# Altium PCB EEGV4.0.PcbDoc (part 2 of 2)
Units mm, origin at the board's own origin, x right, y up, seen from the top; angles counter-clockwise.
Board outline 93.3 x 85.3 mm, 2 copper layers (Top Layer, Bottom Layer); 194 components, 148 nets, 781 pads, 660 vias.
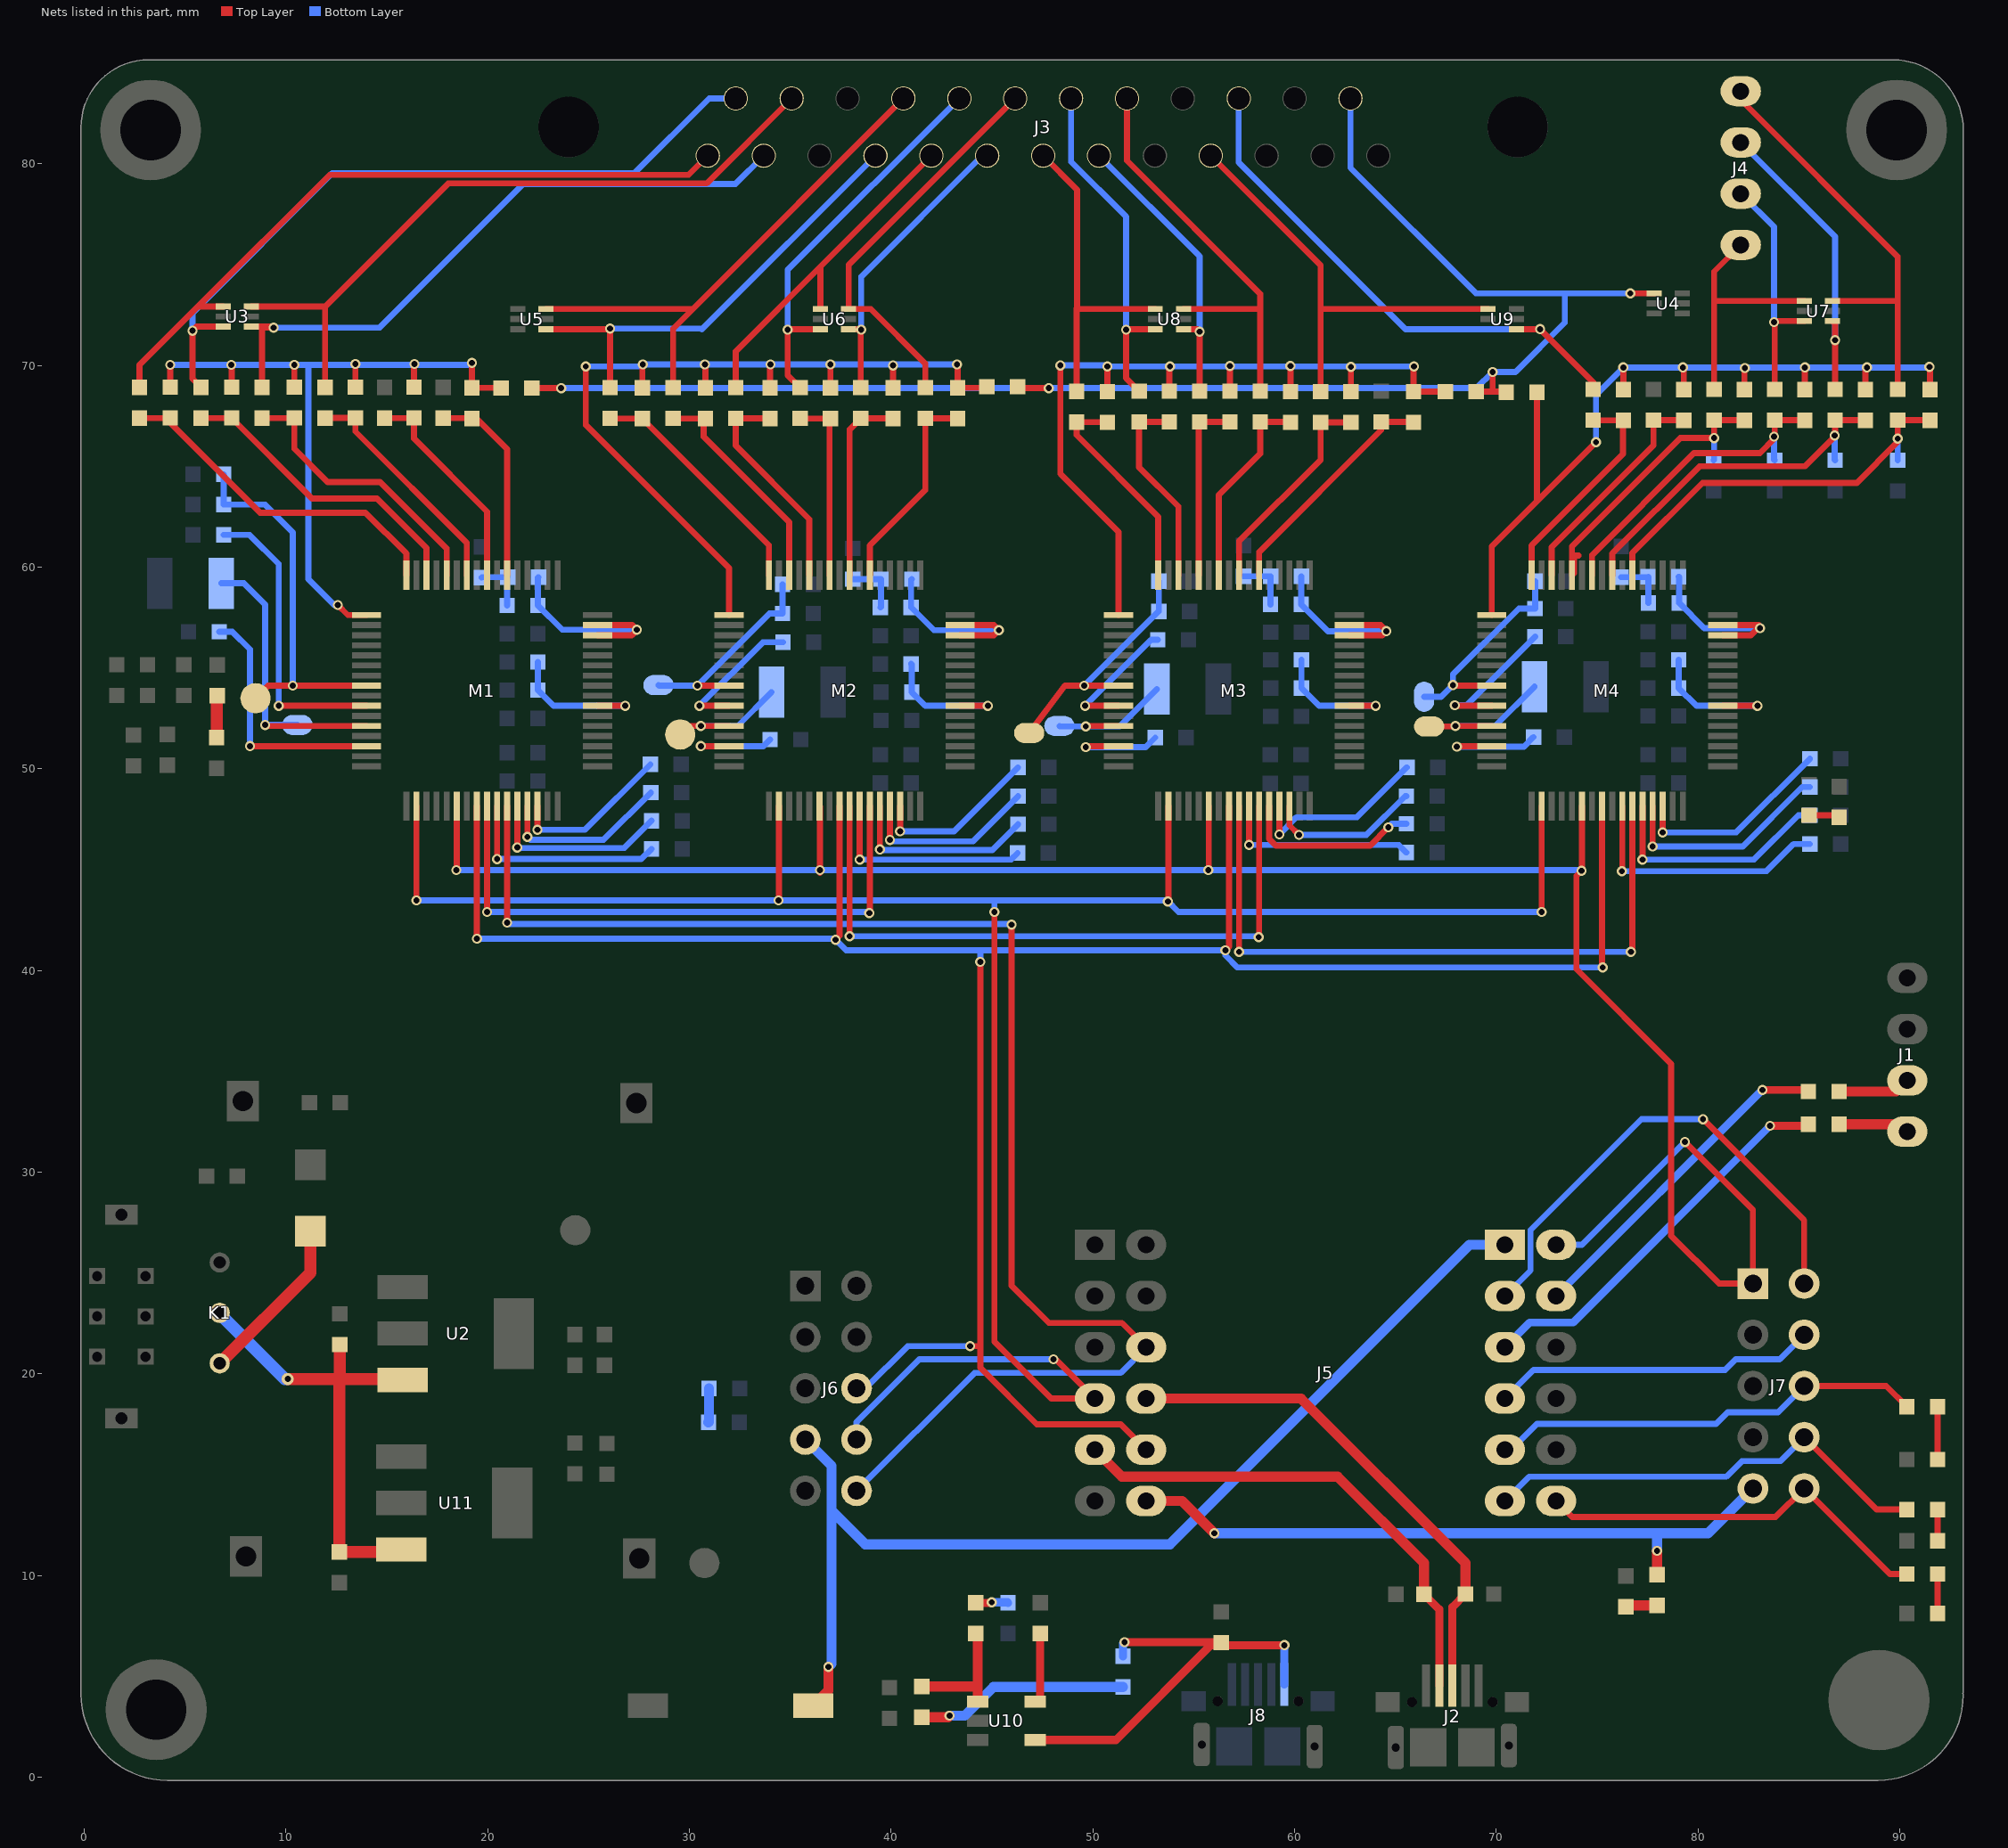
[diagram p2: the nets of this part, all layers, seen from the top]

## Via types
v1: diameter 0.5, hole 0.3, Top Layer to Bottom Layer, tented both sides, 657 vias
v2: diameter 0.6, hole 0.3, Top Layer to Bottom Layer, tented both sides, 1 vias
v3: diameter 0.7, hole 0.3, Top Layer to Bottom Layer, tented both sides, 1 vias
v4: diameter 0.5, hole 0.203, Top Layer to Bottom Layer, tented both sides, 1 vias

## Nets (pads, with @x,y where several pads share a name; then routed paths per layer and width w, separated by ;. In a path a pad name is that pad's centre, name@x,y a point inside that pad or via, vN(x,y) a via of type N, cw(c..) or ccw(c..) an arc to the next point about the centre after c; other vN are vias at no path point) (continued)
DIN: J5.7 J6.8 M1.34 M2.34 M3.34 M4.34 | length 118.2
  Top Layer w0.3: v1(16.475,43.475) M1.34@16.475,48.15 ; v1(34.425,43.475) 34.45,43.5 M2.34@34.45,48.15 ; v1(45.125,42.9) 45.125,21.6 47.945,18.78 J5.7@50.11,18.78 48.165,20.725 v1(48.05,20.725) ; v1(53.725,43.425) 53.75,43.45 M3.34@53.75,48.15 ; v1(72.25,42.9) M4.34@72.25,48.15
  Bottom Layer w0.3: v1(16.475,43.475) v1(34.425,43.475) 45.125,43.475 ; J6.8@38.29,16.745 38.29,17.615 41.4,20.725 v1(48.05,20.725) ; v1(45.125,42.9) 45.125,43.475 ; v1(72.25,42.9) 54.25,42.9 v1(53.725,43.425) 53.675,43.475 45.125,43.475
DM: D2.2 J2.2 J5.9 | length 25
  Top Layer w0.4: D2.2@66.423,9.075 67.175,8.323 J2.2@67.175,4.55
  Top Layer w0.5: J5.9@50.11,16.24 51.45,14.9 62.15,14.9 66.423,10.626 D2.2@66.423,9.075
DOUT_1: J5.6 J6.10 M1.43 | length 74
  Top Layer w0.3: v1(20.975,42.375) M1.43@20.975,48.15 ; v1(45.975,42.275) 45.975,24.375 47.825,22.525 51.445,22.525 J5.6@52.65,21.32
  Bottom Layer w0.3: v1(20.975,42.375) 21.05,42.3 21.075,42.325 21.1,42.3 45.95,42.3 v1(45.975,42.275) ; J6.10@38.29,14.205 44.135,20.05 51.38,20.05 J5.6@52.65,21.32
DOUT_2: M1.41 M2.43 | length 29.5
  Top Layer w0.3: v1(19.975,42.9) M1.41@19.975,48.15 ; v1(38.925,42.85) 38.95,42.875 M2.43@38.95,48.15
  Bottom Layer w0.3: v1(19.975,42.9) 38.875,42.9 v1(38.925,42.85)
DOUT_3: M2.41 M3.43 | length 33.3
  Top Layer w0.3: v1(37.95,41.7) M2.41@37.95,48.15 ; v1(58.225,41.65) 58.25,41.675 M3.43@58.25,48.15
  Bottom Layer w0.3: v1(37.95,41.7) 58.175,41.7 v1(58.225,41.65)
DOUT_4: M3.41 M4.43 | length 33.9
  Top Layer w0.3: v1(57.25,40.925) M3.41@57.25,48.15 ; v1(76.675,40.925) 76.75,41 M4.43@76.75,48.15
  Bottom Layer w0.3: v1(57.25,40.925) v1(76.675,40.925)
DP: D4.2 J2.3 J5.8 | length 25.5
  Top Layer w0.4: J2.3@67.825,4.55 67.825,8.436 D4.2@68.477,9.088
  Top Layer w0.5: J5.8@52.65,18.78 60.32,18.78 68.477,10.623 D4.2@68.477,9.088
ELEC1: J4.1 R39.1 U7.1 | length 12.2
  Top Layer w0.3: R39.1@80.8,68.813 80.8,73.2 ; J4.1@82.125,75.98 80.8,74.655 80.8,73.2 ; U7.1@85.275,73.2 80.8,73.2
ELEC2: J4.2 R37.1 U7.3 | length 11.9
  Top Layer w0.3: R37.1@83.8,68.813 83.8,72.125 v1(83.775,72.15) 83.825,72.2 U7.3@85.275,72.2
  Bottom Layer w0.3: J4.2@82.125,78.52 83.775,76.87 v1(83.775,72.15)
ELEC3: J4.3 R35.1 U7.4 | length 15.2
  Top Layer w0.3: U7.4@86.675,72.2 86.8,72.075 v1(86.8,71.25) R35.1@86.8,68.813
  Bottom Layer w0.3: J4.3@82.125,81.06 86.8,76.385 v1(86.8,71.25)
ELEC4: J4.4 R30.1 U7.6 | length 21.3
  Top Layer w0.3: J4.4@82.125,83.6 82.125,83.175 89.9,75.4 89.9,73.25 ; U7.6@86.675,73.2 89.85,73.2 89.9,73.25 ; R30.1@89.9,68.813 89.9,73.25
F3: J3.2 R8.1 U3.4 | length 32.5
  Top Layer w0.3: U3.4@8.3,71.925 9.35,71.925 v1(9.4,71.875) 8.8,71.875 8.825,71.85 R8.1@8.825,68.912
  Bottom Layer w0.3: v1(9.4,71.875) 14.65,71.875 21.775,79 32.29,79 J3.2@33.69,80.4
F4: J3.15 R6.1 U3.6 | length 35.1
  Top Layer w0.3: U3.6@8.3,72.925 11.95,72.925 ; R6.1@11.95,68.912 11.95,72.925 ; J3.15@35.075,83.24 30.86,79.025 18.05,79.025 11.95,72.925
F7: J3.6 R53.1 U6.4 | length 14.8
  Top Layer w0.3: U6.4@37.9,71.8 38.475,71.8 38.5,71.775 R53.1@38.5,68.9
  Bottom Layer w0.3: v1(38.525,71.775) 38.525,74.4 44.525,80.4 J3.6@44.77,80.4
F8: J3.19 R50.1 U6.6 | length 20
  Top Layer w0.3: R50.1@41.7,68.9 41.7,70.1 39,72.8 U6.6@37.9,72.8 37.9,74.985 J3.19@46.155,83.24
FP1: J3.1 R10.1 U3.1 | length 34.8
  Top Layer w0.3: R10.1@2.75,68.912 2.75,70.025 5.65,72.925 ; U3.1@6.9,72.925 5.65,72.925 ; J3.1@30.92,80.4 29.97,79.45 12.175,79.45 5.65,72.925
FP2: J3.14 R9.1 U3.3 | length 36.8
  Top Layer w0.3: R9.1@5.8,68.912 5.375,69.337 v1(5.375,71.725) 5.575,71.925 U3.3@6.9,71.925
  Bottom Layer w0.3: v1(5.375,71.725) 5.375,72.6 12.3,79.525 27.275,79.525 30.99,83.24 J3.14@32.305,83.24
FZ: J3.10 R33.1 U9.1 | length 22.3
  Top Layer w0.3: J3.10@55.85,80.4 61.3,74.95 61.3,72.8 ; R33.1@61.3,68.7 61.3,72.8 ; U9.1@69.6,72.8 61.3,72.8
NetC6_1: C6.1 M1.16 R10.2 | length 17.2
  Top Layer w0.3: R10.2@2.75,67.388 4.262,67.388 C6.1@4.275,67.401 4.275,67.15 8.725,62.7 13.95,62.7 15.975,60.675 M1.16@15.975,59.6
NetC6_2: C6.2 C7.2 C10.2 C11.2 C12.2 C13.2 M1.17 R11.2 | length 37.5
  Top Layer w0.3: C6.2@4.275,68.925 v1(4.275,70.025) ; v1(7.3,70.025) 7.325,70 C7.2@7.325,68.925 ; C11.2@10.425,68.925 v1(10.425,70.025) ; v1(12.575,58.125) 13.075,57.625 M1.17@14,57.625 ; C12.2@13.45,68.925 v1(13.45,70.075) ; C13.2@16.35,68.925 16.35,70.05 v1(16.375,70.075) ; v1(19.225,70.125) C10.2@19.225,68.887 20.663,68.887 R11.2@20.675,68.875
  Bottom Layer w0.3: v1(4.275,70.025) 11.125,70.025 ; v1(12.575,58.125) 12.4,58.125 11.125,59.4 11.125,70.025 ; v1(19.225,70.125) 19.125,70.025 11.125,70.025
NetC7_1: C7.1 M1.14 R9.2 | length 15.2
  Top Layer w0.3: R9.2@5.8,67.388 7.312,67.388 11.3,63.4 14.525,63.4 16.975,60.95 M1.14@16.975,59.6 ; C7.1@7.312,67.388 C7.1@7.325,67.401
NetC8_1: C8.1 M4.62 M4.63 R1.2 | length 9.7
  Top Layer w0.3: M4.62@81.225,56.625 82.625,56.625 83.075,57.075 83.025,57.125 M4.63@81.225,57.125
  Bottom Layer w0.3: C8.1@79.049,59.525 79.062,59.512 R1.2@79.062,58.225 80.312,56.975 v1(83.075,56.975)
NetC8_2: C8.2 R1.1 R12.2 | length 2.6
  Bottom Layer w0.3: R12.2@76.2,59.501 77.526,59.501 77.538,59.512 R1.1@77.538,58.225
NetC9_1: C9.1 M3.62 M3.63 R2.2 | length 10
  Top Layer w0.3: M3.62@62.725,56.625 64.35,56.625 64.562,56.837 64.275,57.125 M3.63@62.725,57.125
  Bottom Layer w0.3: C9.1@60.349,59.55 60.336,59.537 R2.2@60.336,58.15 61.661,56.825 v1(64.55,56.825)
NetC9_2: C9.2 R2.1 R13.2 | length 2.8
  Bottom Layer w0.3: R13.2@57.475,59.551 57.476,59.55 C9.2@58.825,59.55 58.812,59.537 R2.1@58.812,58.15
NetC10_1: C10.1 M1.6 R3.2 | length 10.1
  Top Layer w0.3: R3.2@17.8,67.388 19.2,67.388 C10.1@19.225,67.363 19.462,67.363 20.975,65.85 M1.6@20.975,59.6
NetC11_1: C11.1 M1.12 R8.2 | length 14.1
  Top Layer w0.3: R8.2@8.825,67.388 10.412,67.388 C11.1@10.425,67.401 10.425,65.875 12.075,64.225 14.675,64.225 17.975,60.925 M1.12@17.975,59.6
NetC12_1: C12.1 M1.10 R6.2 | length 11.6
  Top Layer w0.3: R6.2@11.95,67.388 11.963,67.401 C12.1@13.45,67.401 13.45,66.725 18.975,61.2 M1.10@18.975,59.6
NetC13_1: C13.1 M1.8 R4.2 | length 10.8
  Top Layer w0.3: R4.2@14.9,67.388 16.337,67.388 C13.1@16.35,67.401 16.35,66.375 19.975,62.75 M1.8@19.975,59.6
NetC14_1: C14.1 M1.26 | length 14.7
  Top Layer w0.3: v1(9.65,53.125) M1.26@14,53.125
  Bottom Layer w0.3: C14.1@6.924,61.6 8.2,61.6 9.65,60.15 v1(9.65,53.125)
NetC15_1: C15.1 M1.28 pad.>1.1V@10.575,52.175 | length 15.2
  Top Layer w0.3: v1(8.975,52.175) 9.025,52.125 M1.28@14,52.125
  Bottom Layer w0.3: C15.1@6.8,59.2 7.925,59.2 8.975,58.15 v1(8.975,52.175) pad.>1.1V@10.575,52.175
NetC16_1: C16.1 M1.30 | length 12.5
  Top Layer w0.3: v1(8.225,51.125) M1.30@14,51.125
  Bottom Layer w0.3: C16.1@6.7,56.8 7.35,56.8 8.225,55.925 v1(8.225,51.125)
NetC17_1: C17.1 C18.2 M1.55 | length 7.4
  Top Layer w0.3: M1.55@25.45,53.125 v1(26.825,53.125)
  Bottom Layer w0.3: C17.1@22.5,55.3 C18.2@22.5,53.9 23.275,53.125 v1(26.825,53.125)
NetC20_1: C20.1 M1.62 M1.63 R15.2 | length 10.9
  Top Layer w0.3: M1.62@25.45,56.625 27.15,56.625 27.413,56.888 27.175,57.125 M1.63@25.45,57.125
  Bottom Layer w0.3: R15.2@22.524,59.5 22.5,59.476 C20.1@22.5,58.1 23.7,56.9 v1(27.4,56.9)
NetC20_2: C20.2 R14.2 R15.1 | length 2.7
  Bottom Layer w0.3: R14.2@19.7,59.476 19.724,59.5 R15.1@21,59.5 20.976,59.476 C20.2@20.976,58.1
NetC39_1: C39.1 M3.6 R27.2 | length 11.7
  Top Layer w0.3: M3.6@58.25,59.6 58.25,60.75 64.3,66.8 R27.2@64.3,67.2 65.876,67.2 C39.1@65.9,67.176
NetC39_2: C39.2 C41.2 C43.2 C45.2 C47.2 C49.2 M3.17 R44.2 | length 40.2
  Top Layer w0.3: v1(48.4,70) 48.4,64.625 51.275,61.75 M3.17@51.275,57.625 ; C49.2@50.725,68.7 v1(50.725,69.95) ; C47.2@53.8,68.724 53.8,69.925 v1(53.825,69.95) ; C45.2@56.8,68.724 v1(56.8,69.975) ; C43.2@59.8,68.7 v1(59.8,69.975) ; C41.2@62.8,68.7 v1(62.8,69.925) ; v1(65.925,69.95) 65.9,69.925 C39.2@65.9,68.7 R44.2@67.476,68.7
  Bottom Layer w0.3: v1(48.4,70) 50.675,70 v1(50.725,69.95) v1(53.825,69.95) v1(65.925,69.95)
NetC40_1: C40.1 M4.6 R30.2 R65.1 | length 20.3
  Top Layer w0.3: M4.6@76.75,59.6 76.75,60.7 80.225,64.175 87.875,64.175 89.9,66.2 v1(89.9,66.375) R30.2@89.9,67.289 91.487,67.289 C40.1@91.5,67.276
  Bottom Layer w0.3: R65.1@89.9,65.3 v1(89.9,66.375)
NetC40_2: C40.2 C42.2 C44.2 C46.2 C48.2 C50.2 M4.17 R45.2 | length 42.2
  Top Layer w0.3: M4.17@69.775,57.625 69.775,61.025 72.025,63.275 ; R45.2@72.024,68.675 72.024,63.276 72.025,63.275 ; v1(74.95,66.2) 72.025,63.275 ; C50.2@76.3,68.8 v1(76.3,69.9) ; v1(79.25,69.9) 79.3,69.85 C48.2@79.3,68.8 ; C46.2@82.3,68.8 82.3,69.85 v1(82.325,69.875) ; C44.2@85.3,68.8 v1(85.3,69.9) ; C42.2@88.3,68.8 88.3,69.825 v1(88.375,69.9) ; v1(91.475,69.925) 91.5,69.9 C40.2@91.5,68.8
  Bottom Layer w0.3: v1(74.95,66.2) 74.95,68.55 v1(76.3,69.9) 91.45,69.9 v1(91.475,69.925)
NetC41_1: C41.1 M3.8 R33.2 | length 10.8
  Top Layer w0.3: M3.8@57.25,59.6 57.25,61.275 61.3,65.325 R33.2@61.3,67.176 C41.1@62.8,67.176
NetC42_1: C42.1 M4.8 R35.2 R64.1 | length 18.1
  Top Layer w0.3: M4.8@75.75,59.6 75.75,60.675 80.075,65 85.3,65 86.8,66.5 v1@86.8,66.55 ; v1(86.775,66.525) v1@86.8,66.55 ; C42.1@88.3,67.276 88.287,67.289 R35.2@86.8,67.289 v1@86.8,66.55
  Bottom Layer w0.3: v1(86.775,66.525) 86.775,65.325 R64.1@86.8,65.3
NetC43_1: C43.1 M3.10 R36.2 | length 10
  Top Layer w0.3: M3.10@56.25,59.6 56.25,63.575 58.3,65.625 R36.2@58.3,67.2 59.776,67.2 C43.1@59.8,67.176
NetC44_1: C44.1 M4.10 R37.2 R63.1 | length 16.1
  Top Layer w0.3: M4.10@74.75,59.6 74.75,60.6 79.8,65.65 83.075,65.65 83.8,66.375 v1@83.8,66.5 ; v1(83.775,66.475) v1@83.8,66.5 ; C44.1@85.3,67.276 85.287,67.289 R37.2@83.8,67.289 v1@83.8,66.5
  Bottom Layer w0.3: v1(83.775,66.475) 83.775,65.325 R63.1@83.8,65.3
NetC45_1: C45.1 M3.12 R38.2 | length 9.1
  Top Layer w0.3: M3.12@55.25,59.6 55.25,67.15 R38.2@55.3,67.2 C45.1@56.8,67.2
NetC46_1: C46.1 M4.12 R39.2 R62.1 | length 15.5
  Top Layer w0.3: 74.086,60.575 73.85,60.575 73.85,59.7 M4.12@73.75,59.6 73.75,61.025 79.125,66.4 v1(80.8,66.4) R39.2@80.8,67.289 82.287,67.289 C46.1@82.3,67.276
  Bottom Layer w0.3: R62.1@80.775,65.3 80.8,65.325 v1(80.8,66.4)
NetC47_1: C47.1 M3.14 R40.2 | length 9.9
  Top Layer w0.3: C47.1@53.8,67.2 R40.2@52.3,67.2 52.3,64.95 54.25,63 M3.14@54.25,59.6
NetC48_1: C48.1 M4.14 R41.2 | length 11.3
  Top Layer w0.3: M4.14@72.75,59.6 72.75,61 77.8,66.05 R41.2@77.8,67.289 79.287,67.289 C48.1@79.3,67.276
NetC49_1: C49.1 M3.16 R42.2 | length 10.8
  Top Layer w0.3: C49.1@50.725,67.176 50.712,67.189 R42.2@49.2,67.189 49.2,66.55 53.25,62.5 M3.16@53.25,59.6
NetC50_1: C50.1 M4.16 R43.2 | length 11.1
  Top Layer w0.3: M4.16@71.75,59.6 71.75,61.075 76.287,65.612 C50.1@76.287,67.276 ; R43.2@74.8,67.289 74.813,67.276 C50.1@76.287,67.276 ; C50.1@76.3,67.276 C50.1@76.287,67.276
NetC51_1: C51.1 M3.26 | length 6.6
  Top Layer w0.3: v1(49.625,53.125) M3.26@51.275,53.125
  Bottom Layer w0.3: v1(49.625,53.125) 52.9,56.4 C51.1@53.226,56.4
NetC52_1: C52.1 M3.28 pad.>1.1V@48.35,52.125 | length 7.3
  Top Layer w0.3: v1(49.65,52.1) 49.625,52.125 M3.28@51.275,52.125
  Bottom Layer w0.3: pad.>1.1V@48.35,52.125 48.375,52.1 v1(49.65,52.1) 51.325,52.1 C52.1@53.175,53.95
NetC53_1: C53.1 M3.30 | length 5.3
  Top Layer w0.3: v1(49.65,51.075) 49.7,51.125 M3.30@51.275,51.125
  Bottom Layer w0.3: v1(49.65,51.075) 52.626,51.075 C53.1@53.101,51.55
NetC54_1: C54.1 C55.2 M3.55 | length 6.7
  Top Layer w0.3: M3.55@62.725,53.125 v1(64.025,53.125)
  Bottom Layer w0.3: C55.2@60.349,55.4 C54.1@60.349,54 61.224,53.125 v1(64.025,53.125)
NetC56_1: C56.1 M4.26 | length 7.2
  Top Layer w0.3: v1(67.95,53.15) 67.975,53.125 M4.26@69.775,53.125
  Bottom Layer w0.3: v1(67.95,53.15) 68.526,53.15 C56.1@71.926,56.55
NetC57_1: C57.1 M4.28 pad.>1.1V@66.675,52.1 | length 7.8
  Top Layer w0.3: pad.>1.1V@66.675,52.1 67.95,52.1 v1(67.975,52.125) M4.28@69.775,52.125
  Bottom Layer w0.3: v1(67.975,52.125) 69.952,52.125 C57.1@71.902,54.075
NetC58_1: C58.1 M4.30 | length 5.7
  Top Layer w0.3: v1(68.05,51.1) 68.075,51.125 M4.30@69.775,51.125
  Bottom Layer w0.3: v1(68.05,51.1) 71.376,51.1 C58.1@71.851,51.575
NetC59_1: C59.1 C60.2 M4.55 | length 7.4
  Top Layer w0.3: M4.55@81.225,53.125 v1(82.95,53.125)
  Bottom Layer w0.3: C60.2@79.049,55.4 C59.1@79.049,54 79.924,53.125 v1(82.95,53.125)
NetC67_1: C67.1 M2.62 M2.63 R46.2 | length 10.3
  Top Layer w0.3: M2.62@43.425,56.625 45.1,56.625 v1(45.35,56.875) 45.1,57.125 M2.63@43.425,57.125
  Bottom Layer w0.3: R46.2@41.024,59.4 41,59.376 C67.1@41,58 42.125,56.875 v1(45.35,56.875)
NetC67_2: C67.2 R46.1 R47.2 | length 2.8
  Bottom Layer w0.3: R47.2@38.1,59.4 R46.1@39.5,59.4 39.5,58.024 C67.2@39.476,58
NetC71_1: C71.1 M2.6 R50.2 | length 10.5
  Top Layer w0.3: M2.6@38.95,59.6 38.95,61.075 41.7,63.825 R50.2@41.7,67.376 43.287,67.376 C71.1@43.3,67.363
NetC71_2: C71.2 C72.2 C73.2 C74.2 C75.2 C76.2 M2.17 R58.2 | length 42.2
  Top Layer w0.3: v1(24.875,69.95) 24.875,67.05 31.975,59.95 M2.17@31.975,57.625 ; C76.2@27.675,68.887 27.675,70.025 v1(27.7,70.05) ; v1(30.775,70.05) 30.8,70.025 C75.2@30.8,68.887 ; C74.2@34,68.887 34,70.025 v1(34.025,70.05) ; C73.2@37,68.887 v1(37,70.05) ; C72.2@40.1,68.887 v1(40.1,70) ; v1(43.275,70.05) 43.3,70.05 C71.2@43.3,68.887 44.688,68.887 R58.2@44.751,68.95
  Bottom Layer w0.3: v1(24.875,69.95) 27.6,69.95 v1(27.7,70.05) v1(30.775,70.05) v1(34.025,70.05) v1(37,70.05) v1(43.275,70.05)
NetC72_1: C72.1 M2.8 R53.2 | length 9.6
  Top Layer w0.3: M2.8@37.95,59.6 37.95,66.826 R53.2@38.5,67.376 40.087,67.376 C72.1@40.1,67.363
NetC73_1: C73.1 M2.10 R54.2 | length 9.3
  Top Layer w0.3: R54.2@35.5,67.376 35.513,67.363 C73.1@37,67.363 36.95,67.313 M2.10@36.95,59.6
NetC74_1: C74.1 M2.12 R55.2 | length 11
  Top Layer w0.3: C74.1@34,67.363 33.987,67.376 R55.2@32.3,67.376 32.3,66.025 35.95,62.375 M2.12@35.95,59.6
NetC75_1: C75.1 M2.14 R56.2 | length 11.2
  Top Layer w0.3: R56.2@29.2,67.376 29.213,67.363 C75.1@30.8,67.363 30.713,67.276 30.713,66.462 34.95,62.225 M2.14@34.95,59.6
NetC76_1: C76.1 M2.16 R57.2 | length 12
  Top Layer w0.3: R57.2@26.075,67.376 26.088,67.363 C76.1@27.675,67.363 33.95,61.088 M2.16@33.95,59.6
NetC77_1: C77.1 M2.26 | length 6.9
  Top Layer w0.3: v1(30.5,53.125) M2.26@31.975,53.125
  Bottom Layer w0.3: v1(30.5,53.125) 33.65,56.275 C77.1@34.65,56.275
NetC78_1: C78.1 M2.28 pad.>1.1V@29.55,51.7 | length 6.8
  Top Layer w0.3: pad.>1.1V@29.55,51.7 29.975,52.125 v1(30.575,52.125) M2.28@31.975,52.125
  Bottom Layer w0.3: v1(30.575,52.125) 32.402,52.125 C78.1@34.077,53.8
NetC79_1: C79.1 M2.30 | length 5
  Top Layer w0.3: v1(30.575,51.125) 30.7,51.125 M2.30@31.975,51.125
  Bottom Layer w0.3: v1(30.575,51.125) 33.675,51.125 C79.1@34,51.45
NetC80_1: C80.1 C81.2 M2.55 | length 6.8
  Top Layer w0.3: M2.55@43.425,53.125 v1(44.8,53.125)
  Bottom Layer w0.3: C80.1@41,55.2 41.024,55.176 C81.2@41.024,53.8 41.699,53.125 v1(44.8,53.125)
NetD1_1: D1.1 R23.2 | length 1.6
  Top Layer w0.5: D1.1@76.425,8.451 76.499,8.525 R23.2@77.975,8.525
NetD3_2: D3.2 R60.1 | length 10.6
  Top Layer w0.5: R60.1@41.525,2.975 42.825,2.975 v1(42.9,3.05)
  Bottom Layer w0.5: v1(42.9,3.05) 43.65,3.05 45.075,4.475 D3.2@51.5,4.475
NetD5_1: D5.1 R61.1 | length 1.7
  Top Layer w0.4: R61.1@44.2,8.649 45.024,8.649 v1(44.998,8.675)
  Bottom Layer w0.4: v1(44.998,8.675) 45.774,8.675 D5.1@45.8,8.649
NetD6_2: D6.2 K1.3 | length 8.4
  Top Layer w0.6: K1.3@6.7,20.5 11.225,25.025 D6.2@11.225,27.073
NetD7_1: D7.1 R22.2 | length 1.7
  Bottom Layer w0.5: D7.1@30.951,17.6 30.976,17.625 R22.2@30.976,19.275
NetD8_1: D8.1 R21.2 | length 2.6
  Top Layer w0.3: D8.1@91.874,15.75 91.875,15.751 R21.2@91.875,18.375
NetD9_1: D9.1 R66.2 | length 1.5
  Top Layer w0.3: D9.1@91.875,11.725 R66.2@91.875,13.275
NetD10_1: D10.1 R67.2 | length 1.9
  Top Layer w0.3: D10.1@91.875,8.125 R67.2@91.875,10.075
NetD11_1: D11.1 R68.2 | length 1.5
  Top Layer w0.3: R68.2@85.5,47.7 86.901,47.7 D11.1@87,47.601
NetJ1_1: J1.1 R5.1 | length 3.5
  Top Layer w0.5: R5.1@87,32.375 90.01,32.375 J1.1@90.375,32.01
NetJ1_2: J1.2 R7.1 | length 3.6
  Top Layer w0.5: R7.1@86.999,34 89.825,34 J1.2@90.375,34.55
NetL1_2: L1.2 R26.2 | length 2.1
  Top Layer w0.6: L1.2@6.575,51.55 6.575,53.597 R26.2@6.604,53.626
NetM1_42: M1.42 R19.1 | length 10.5
  Top Layer w0.3: v1(20.475,45.525) M1.42@20.475,48.15
  Bottom Layer w0.3: v1(20.475,45.525) 27.625,45.525 R19.1@28.125,46.025
NetM1_44: M1.44 R18.1 | length 9.3
  Top Layer w0.3: v1(21.475,46.1) M1.44@21.475,48.15
  Bottom Layer w0.3: v1(21.475,46.1) 21.5,46.075 26.775,46.075 R18.1@28.125,47.425
NetM1_45: M1.45 R17.1 | length 8.7
  Top Layer w0.3: v1(21.975,46.625) M1.45@21.975,48.15
  Bottom Layer w0.3: v1(21.975,46.625) 22.125,46.475 25.75,46.475 R17.1@28.1,48.825
NetM1_46: M1.46 R16.1 | length 8.1
  Top Layer w0.3: v1(22.475,46.975) M1.46@22.475,48.15
  Bottom Layer w0.3: v1(22.475,46.975) 24.825,46.975 R16.1@28.075,50.225
NetM2_42: M2.42 R52.1 | length 10.6
  Top Layer w0.3: v1(38.45,45.5) M2.42@38.45,48.15
  Bottom Layer w0.3: v1(38.45,45.5) 45.95,45.5 R52.1@46.275,45.825
NetM2_44: M2.44 R51.1 | length 9.5
  Top Layer w0.3: v1(39.45,46) M2.44@39.45,48.15
  Bottom Layer w0.3: v1(39.45,46) 39.475,45.975 45.025,45.975 R51.1@46.3,47.25
NetM2_45: M2.45 R49.1 | length 9
  Top Layer w0.3: v1(39.95,46.475) M2.45@39.95,48.15
  Bottom Layer w0.3: v1(39.95,46.475) 40.025,46.4 44.05,46.4 R49.1@46.3,48.65
NetM2_46: M2.46 R48.1 | length 8.4
  Top Layer w0.3: v1(40.45,46.9) M2.46@40.45,48.15
  Bottom Layer w0.3: v1(40.45,46.9) 43.125,46.9 R48.1@46.3,50.075
NetM3_42: M3.42 R32.1 | length 9.9
  Top Layer w0.3: v1(57.75,46.225) M3.42@57.75,48.15
  Bottom Layer w0.3: v1(57.75,46.225) 65.175,46.225 R32.1@65.55,45.85
NetM3_44: M3.44 R29.1 | length 9
  Top Layer w0.3: M3.44@58.75,48.15 58.75,46.525 59.075,46.2 63.75,46.2 v1(64.65,47.1)
  Bottom Layer w0.3: v1(64.65,47.1) 64.825,47.275 R29.1@65.55,47.275
NetM3_45: M3.45 R25.1 | length 9.1
  Top Layer w0.3: v1(59.25,46.75) M3.45@59.25,48.15
  Bottom Layer w0.3: v1(59.25,46.75) 60.1,47.6 63.101,47.6 R25.1@65.576,50.075
NetM3_46: M3.46 R20.1 | length 7.7
  Top Layer w0.3: M3.46@59.75,48.15 59.75,47.2 v1(60.225,46.725)
  Bottom Layer w0.3: v1(60.225,46.725) 63.568,46.725 65.493,48.65 R20.1@65.551,48.65
NetM4_42: M4.42 R34.1 | length 13.1
  Top Layer w0.3: v1(76.225,44.925) 76.25,44.95 M4.42@76.25,48.15
  Bottom Layer w0.3: v1(76.225,44.925) 83.4,44.925 84.75,46.275 R34.1@85.551,46.275
NetM4_44: M4.44 R31.1 | length 11.9
  Top Layer w0.3: v1(77.25,45.5) M4.44@77.25,48.15
  Bottom Layer w0.3: v1(77.25,45.5) 82.775,45.5 84.975,47.7 R31.1@85.551,47.7
NetM4_45: M4.45 R28.1 | length 11
  Top Layer w0.3: v1(77.75,46.15) M4.45@77.75,48.15
  Bottom Layer w0.3: v1(77.75,46.15) 82.225,46.15 85.175,49.1 R28.1@85.551,49.1
NetM4_46: M4.46 R24.1 | length 10.1
  Top Layer w0.3: v1(78.25,46.85) M4.46@78.25,48.15
  Bottom Layer w0.3: v1(78.25,46.85) 81.901,46.85 R24.1@85.551,50.5
NetR59_2: R59.2 U10.5 | length 3.5
  Top Layer w0.4: U10.5@47.15,3.75 47.4,4 R59.2@47.4,7.125
NetR60_2: R60.2 R61.2 U10.1 | length 6.2
  Top Layer w0.5: R60.2@41.525,4.499 44.299,4.499 44.3,4.5 ; R61.2@44.2,7.125 44.3,7.025 44.3,4.5 ; U10.1@44.3,3.75 44.3,4.5
O1: J3.5 R55.1 U6.1 | length 17.6
  Top Layer w0.3: R55.1@32.3,68.9 32.3,70.7 36.5,74.9 ; U6.1@36.5,72.8 36.5,74.9 ; J3.5@42,80.4 36.5,74.9
O2: J3.18 R54.1 U6.3 | length 19.8
  Top Layer w0.3: R54.1@35.5,68.9 34.875,69.525 v1(34.875,71.775) 34.9,71.8 U6.3@36.5,71.8
  Bottom Layer w0.3: v1(34.875,71.775) 34.875,74.73 J3.18@43.385,83.24
P01: J5.15 J7.2 | length 24.8
  Top Layer w0.3: v1(80.25,32.625) 85.265,27.61 J7.2@85.265,24.48
  Bottom Layer w0.3: J5.15@70.43,23.86 71.7,25.13 71.7,27.125 77.2,32.625 v1(80.25,32.625)
P3: J3.4 R57.1 U5.4 | length 22.8
  Top Layer w0.3: U5.4@22.9,71.8 26.05,71.8 v1(26.075,71.825) R57.1@26.075,68.9
  Bottom Layer w0.3: v1(26.075,71.825) 30.605,71.825 30.63,71.8 J3.4@39.23,80.4
P4: J3.17 R56.1 U5.6 | length 26.3
  Top Layer w0.3: U5.6@22.9,72.8 30.175,72.8 ; R56.1@29.2,68.9 29.2,71.825 30.175,72.8 ; J3.17@40.615,83.24 30.175,72.8
P05: J5.19 J7.4 | length 16.1
  Bottom Layer w0.3: J5.19@70.43,18.78 71.85,20.2 81.35,20.2 81.875,20.725 84.05,20.725 J7.4@85.265,21.94
P07: J5.21 J7.6 R21.1 | length 21.7
  Top Layer w0.3: J7.6@85.265,19.4 89.326,19.4 R21.1@90.351,18.375
  Bottom Layer w0.3: J5.21@70.43,16.24 70.74,16.24 72.025,17.525 80.9,17.525 81.475,18.1 83.965,18.1 J7.6@85.265,19.4
P11: J5.23 J7.8 R66.1 | length 22.7
  Top Layer w0.3: J7.8@85.265,16.86 88.85,13.275 R66.1@90.351,13.275
  Bottom Layer w0.3: J5.23@70.43,13.7 71.63,14.9 81.4,14.9 82.175,15.675 84.08,15.675 J7.8@85.265,16.86
P12: J5.24 J7.10 R67.1 | length 20.1
  Top Layer w0.3: J5.24@72.97,13.7 73.77,12.9 83.845,12.9 J7.10@85.265,14.32 89.51,10.075 R67.1@90.351,10.075
P13: J5.12 J7.9 R23.1 | length 33.7
  Top Layer w0.5: J5.12@52.65,13.7 54.425,13.7 v1(56.025,12.1) ; R23.1@77.975,10.049 v1(77.975,11.225)
  Bottom Layer w0.5: v1(56.025,12.1) 77.975,12.1 ; v1(77.975,11.225) 77.975,12.1 ; J7.9@82.725,14.32 80.505,12.1 77.975,12.1
PZ: J3.23 R43.1 U9.4 | length 26.8
  Top Layer w0.3: U9.4@71,71.8 v1(72.175,71.8) 74.8,69.175 R43.1@74.8,68.813
  Bottom Layer w0.3: J3.23@57.235,83.24 57.235,80.065 65.5,71.8 v1(72.175,71.8)
REF: J3.25 R11.1 R44.1 R45.1 R58.1 U4.4 | length 79.1
  Top Layer w0.3: R11.1@22.199,68.875 v1(23.65,68.875) ; R58.1@46.275,68.95 46.35,68.875 v1(47.825,68.875) ; R44.1@69,68.7 69.825,68.7 ; v1(69.825,69.675) 69.825,68.7 ; R45.1@70.5,68.675 70.475,68.7 69.825,68.7 ; v1(76.65,73.575) U4.4@77.825,73.575
  Bottom Layer w0.3: v1(23.65,68.875) v1(47.825,68.875) 69.025,68.875 v1(69.825,69.675) 70.95,69.675 73.4,72.125 73.4,73.575 ; J3.25@62.775,83.24 62.775,79.8 69,73.575 73.4,73.575 ; v1(76.65,73.575) 73.4,73.575
RST: J5.13 J6.7 K5.1 | length 54.3
  Top Layer w0.5: K5.1@36.15,3.55 36.9,4.3 v1(36.9,5.475)
  Bottom Layer w0.5: J6.7@35.75,16.745 37.05,15.445 37.05,13.225 ; v1(36.9,5.475) 37.05,5.625 37.05,13.225 ; J5.13@70.43,26.4 68.675,26.4 53.825,11.55 38.725,11.55 37.05,13.225
RXD: J5.16 R7.2 | length 16.8
  Top Layer w0.381: v1(83.2,34.075) 85.4,34.075 R7.2@85.475,34
  Bottom Layer w0.381: J5.16@72.97,23.86 83.185,34.075 v1(83.2,34.075)
SCLK: J5.10 J6.6 M1.40 M2.40 M3.40 M4.40 | length 122.8
  Top Layer w0.3: v1(19.475,41.575) M1.40@19.475,48.15 ; v1(37.25,41.525) 37.45,41.725 M2.40@37.45,48.15 ; v1(43.925,21.375) 44.425,21.375 ; v1(44.425,40.425) 44.425,21.375 ; J5.10@52.65,16.24 51.39,17.5 47.225,17.5 44.425,20.3 44.425,21.375 ; v1(56.575,41) 56.75,41.175 M3.40@56.75,48.15 ; M4.40@75.25,48.15 75.25,40.175 v1(75.275,40.15)
  Bottom Layer w0.3: v1(19.475,41.575) 37.3,41.575 v1(37.25,41.525) 37.775,41 44.425,41 ; J6.6@38.29,19.285 38.735,19.285 40.825,21.375 v1(43.925,21.375) v1@43.9,21.4 ; v1(44.425,40.425) 44.425,41 ; v1(75.275,40.15) 57.175,40.15 56.575,40.75 v1(56.575,41) 44.425,41
START: J5.14 J7.1 M1.38 M2.38 M3.38 M4.38 | length 110.8
  Top Layer w0.3: v1(18.45,44.975) 18.475,45 M1.38@18.475,48.15 ; M2.38@36.45,48.15 36.475,48.125 v1(36.475,44.975) v1@36.475,44.85 ; v1(55.725,44.975) 55.753,45.003 55.753,48.147 M3.38@55.75,48.15 ; M4.38@74.25,48.15 74.25,44.975 v1(74.225,44.95) 73.975,44.7 73.975,40.075 78.675,35.375 78.675,26.85 81.045,24.48 J7.1@82.725,24.48 82.725,28.125 v1(79.35,31.5)
  Bottom Layer w0.3: v1(18.45,44.975) v1(36.475,44.975) v1(55.725,44.975) 74.2,44.975 v1(74.225,44.95) ; J5.14@72.97,26.4 74.25,26.4 v1(79.35,31.5)
T3: J3.7 R42.1 U8.1 | length 16.3
  Top Layer w0.3: J3.7@47.54,80.4 49.225,78.715 49.225,72.8 U8.1@53.1,72.8 ; R42.1@49.2,68.713 49.2,72.825
T4: J3.20 R40.1 U8.3 | length 17.4
  Top Layer w0.3: R40.1@52.3,68.724 51.65,69.374 v1(51.65,71.775) 51.675,71.8 U8.3@53.1,71.8
  Bottom Layer w0.3: J3.20@48.925,83.24 48.925,80.1 51.65,77.375 v1(51.65,71.775)
T5: J3.8 R38.1 U8.4 | length 14.6
  Top Layer w0.3: U8.4@54.5,71.8 55.175,71.8 v1(55.3,71.675) R38.1@55.3,68.724
  Bottom Layer w0.3: J3.8@50.31,80.4 55.3,75.41 v1(55.3,71.675)
T6: J3.21 R36.1 U8.6 | length 21.1
  Top Layer w0.3: J3.21@51.695,83.24 51.695,80.155 58.3,73.55 58.3,72.8 ; U8.6@54.5,72.8 58.3,72.8 ; R36.1@58.3,68.724 58.3,72.8
TXD: J5.17 R5.2 | length 19.7
  Top Layer w0.381: v1(83.575,32.3) 85.45,32.3 R5.2@85.525,32.375
  Bottom Layer w0.381: J5.17@70.43,21.32 71.66,22.55 73.825,22.55 v1(83.575,32.3)
VBUS: C85.1 D3.1 J8.1 U10.4 | length 21.8
  Top Layer w0.4: U10.4@47.15,1.85 51.15,1.85 55.85,6.55 v1(59.5,6.55) ; v1(51.575,6.7) 56.351,6.7 C85.1@56.375,6.676
  Bottom Layer w0.4: D3.1@51.5,5.999 51.5,6.625 v1(51.575,6.7) ; J8.1@59.5,4.6 v1(59.5,6.55)
VIN: C26.1 C87.1 K1.2 U2.3 U11.3 | length 23.9
  Top Layer w0.6: v2(10.1,19.75) 12.65,19.75 ; C26.1@12.675,21.45 12.675,19.775 12.65,19.75 ; U11.3@15.725,11.3 15.6,11.175 C87.1@12.65,11.175 12.65,19.75 ; U2.3@15.8,19.7 15.75,19.75 12.65,19.75
  Bottom Layer w0.6: K1.2@6.7,23 9.95,19.75 v2(10.1,19.75)
VREFP_1: "pad.4.5 V"@8.5,53.5 C19.1 C22.1 M1.24 | length 18.9
  Top Layer w0.3: 8.5,53.5 9.125,54.125 v1(10.35,54.125) M1.24@14,54.125
  Bottom Layer w0.3: C22.1@6.924,64.6 C19.1@6.924,63.1 8.975,63.1 10.35,61.725 v1(10.35,54.125)
VREFP_2: C83.1 C84.1 M2.24 pad.4.5V@28.475,54.15 | length 10.7
  Top Layer w0.3: v1@30.375,54.1 v1(30.4,54.125) M2.24@31.975,54.125
  Bottom Layer w0.3: pad.4.5V@28.475,54.15 28.5,54.125 v1(30.4,54.125) 33.975,57.7 C84.1@34.626,57.7 34.626,59.149 C83.1@34.625,59.15
VREFP_3: "pad.4.5 V"@46.85,51.775 C63.1 C65.1 M3.24 | length 12.3
  Top Layer w0.3: 46.85,51.775 48.625,54.125 v1(49.575,54.125) M3.24@51.275,54.125
  Bottom Layer w0.3: v1(49.575,54.125) 53.25,57.8 C65.1@53.276,57.8 C63.1@53.276,59.3
VREFP_4: C64.1 C66.1 M4.24 pad.4.5V@66.425,53.575 | length 10.8
  Top Layer w0.3: v1@67.925,54.125 M4.24@69.775,54.125
  Bottom Layer w0.3: pad.4.5V@66.425,53.575 67.275,53.575 v1(67.852,54.152) 67.852,54.677 71.125,57.95 C66.1@71.926,57.95 C64.1@71.926,59.3
pads on no net: J2. J2.0 J2.1 J2.4 J3.0 J3.11 J3.12 J5.5 J8. J8.0 J8.2 J8.3 J8.4 K1.1 K2.4 M1.1 M1.2 M1.3 M1.4 M1.5 M1.7 M1.9 M1.11 M1.13 M1.15 M1.27 M1.29 M2.1 M2.2 M2.3 M2.4 M2.5 M2.7 M2.9 M2.11 M2.13 M2.15 M2.27 M2.29 M2.47 M3.1 M3.2 M3.3 M3.4 M3.5 M3.7 M3.9 M3.11 M3.13 M3.15 M3.27 M3.29 M3.47 M4.1 M4.2 M4.3 M4.4 M4.5 M4.7 M4.9 M4.11 M4.13 M4.15 M4.27 M4.29 M4.47 U3.5 U4.5 U5.5 U6.5 U7.5 U8.5 U9.5
copper on no net:
  other v1: 17.625,0.45 25.85,0.45 34.5,0.45 43.025,0.45 80.3,0.475 10.125,0.5 20.6,0.5 23.3,0.5 28.825,0.5 31.525,0.5 37.475,0.5 40.175,0.5 46,0.5 48.7,0.5 13.1,0.55 15.8,0.55 7.825,0.575 51.425,0.7 83.775,0.7 81.625,0.75 72.875,0.85 75.575,0.85 78.55,0.9 85.9,1 7.175,2.125 9.875,2.125 12.85,2.175 80.3,3.175 32.325,3.25 53.65,3.3 21.95,3.359 38.525,3.375 25.725,3.45 7.775,3.55 83.725,3.675 72.55,3.775 75.25,3.775 78.225,3.825 85.85,3.975 6.625,4.8 9.325,4.8 12.3,4.85 0.825,5.025 72.525,5.7 75.225,5.7 78.2,5.75 91.2,6.125 28.8,6.15 80.25,6.15 3.1,6.225 7.775,6.25 32.275,6.225 21.9,6.334 38.475,6.35 83.725,6.375 25.675,6.425 35.975,6.525 5.225,6.625 85.85,6.675 69.225,7.25 71.925,7.25 74.9,7.3 60.6,7.35 63.3,7.35 66.275,7.4 0.775,8 14.325,8.3 17.3,8.35 20,8.35 28.8,8.85 32.275,8.925 21.9,9.034 38.475,9.05 91.15,9.1 25.675,9.125 3.05,9.2 35.975,9.225 49.85,9.575 52.55,9.575 5.175,9.6 55.525,9.625 0.775,10.7 11.125,11.725 3.05,11.9 5.175,12.3 42.275,12.6 45.25,12.65 47.95,12.65 92.45,14.25 11.075,14.7 68.425,16.35 92.4,17.225 67.225,17.375 11.075,17.4 62.9,18.925 65.6,18.925 68.575,18.975 4.275,19.275 55.3,19.875 58,19.875 60.975,19.925 92.4,19.925 67.225,20.075 28.2,20.675 91.725,21.85 4.225,22.25 67.175,23.05 63.25,23.175 28.15,23.65 55.5,23.975 58.2,23.975 61.175,24.025 91.675,24.825 4.225,24.95 42.4,25.525 16.35,25.775 63.25,25.875 55.525,26.325 58.225,26.325 28.15,26.35 61.2,26.375 91.675,27.525 65.45,28.15 68.15,28.15 71.125,28.2 42.35,28.5 13.375,28.725 16.35,28.775 19.05,28.775 63.2,28.85 61.625,29.75 64.325,29.75 67.3,29.8 53.075,29.825 55.775,29.825 58.75,29.875 30.975,30.075 23,30.125 33.95,30.125 36.65,30.125 25.975,30.175 28.675,30.175 42.35,31.2 16.3,31.45 31.1,31.825 34.075,31.875 36.775,31.875 49.85,32.1 52.55,32.1 55.525,32.15 58.425,32.175 61.125,32.175 64.1,32.225 67.225,32.3 69.925,32.3 72.9,32.35 92.5,32.525 49.775,34.4 52.475,34.4 57.975,34.4 60.675,34.4 55.45,34.45 63.65,34.45 66.525,34.525 69.225,34.525 72.2,34.575 92.45,35.5 78.425,37.075 81.125,37.075 64.475,37.125 67.175,37.125 84.1,37.125 70.15,37.175 92.45,38.2 78.45,38.925 81.15,38.925 84.125,38.975 78.675,40.7 81.375,40.7 84.35,40.75 85.925,41.9 88.625,41.9 91.6,41.95

## Polygon pours and split planes (outlines as drawn)
AGND on Top Layer "AGND" (solid, remove dead copper, pour order 2): 0,50.85 19.85,50.85 20.625,51.625 20.95,51.95 29.125,51.95 29.175,51.95 30.275,50.85 38.375,50.85 39.15,51.625 39.4,51.875 48.425,51.875 49.425,50.875 57.925,50.875 58.95,51.9 66.8,51.9 67.9,50.8 76.475,50.8 77.6,51.925 86.025,51.925 93,51.925 93,84.975 0.025,84.975 0,85 0,50.85
DGND on Top Layer "DGND_L01_P016" (solid, remove dead copper, pour order 16): 0,50.85 19.85,50.85 20.95,51.95 29.175,51.95 30.275,50.85 38.375,50.85 39.4,51.875 48.425,51.875 49.425,50.875 57.925,50.875 58.95,51.9 66.8,51.9 67.9,50.8 76.475,50.8 77.6,51.925 93,51.925 93,-0.15 0,-0.15
AGND on Bottom Layer "AGND_L02_P008" (solid, remove dead copper, pour order 8): 0,50.85 19.85,50.85 20.95,51.95 29.2,51.95 30.275,50.875 30.275,50.85 38.375,50.85 39.4,51.875 48.4,51.875 48.425,51.85 49.425,50.85 49.45,50.85 57.925,50.85 58.95,51.875 58.95,51.9 66.8,51.9 67.9,50.8 76.45,50.8 76.475,50.775 77.6,51.9 77.6,51.925 92.975,51.925 93,51.9 93,85 0,85 0,50.85
DGND on Bottom Layer "DGND_L02_P012" (solid, remove dead copper, pour order 12): 0,50.85 19.85,50.85 20.95,51.95 29.175,51.95 30.275,50.85 38.375,50.85 39.4,51.875 48.425,51.875 49.425,50.875 57.925,50.875 58.95,51.9 66.8,51.9 67.9,50.8 76.475,50.8 77.6,51.925 93,51.925 93,-0.15 0,-0.15

## Keep-outs
Keep-Out Layer:
  lines w0.254: -0.225,0 4.125,0 ; 0,-0.275 0,4.125
  lines w0.3: 93,4.075 cw(c88.925,4.075) 88.925,0 4.125,0 cw(c4.125,4.125) 0,4.125 0,81.8 cw(c3.2,81.8) 3.2,85 89.675,85 cw(c89.675,81.675) 93,81.675 93,4.225

## Other copper
Top Layer:
  region net +3.3V: 13.8,14.575 19.575,14.575 19.6,14.6 19.6,16.025 22.775,16.025 22.8,16 22.8,15.425 22.775,15.4 34.525,15.4 34.525,13 34.5,12.975 22.925,12.975 22.85,12.9 22.85,11.325 19.75,11.325 19.625,11.3 19.65,12.775 16.8,12.775 13.825,12.775 13.825,12.575 13.825,14.5
  region net +5V: 14,20.975 14,23 13.975,23.025 19.875,23.025 19.9,23 19.9,24.525 19.875,24.55 19.875,35.675 19.925,35.725 13.85,35.725 5.7,43.875 5.7,50.45 7.45,50.45 7.55,50.35 7.55,44.825 15.55,36.825 41.05,36.825 41.05,35.775 41.1,35.725 22,35.725 21.9,35.625 21.9,24.24 21.81,24.15 23.3,24.15 23.3,20.8 14.35,20.8 14.15,21
  region net BT2: 44.875,2.2 44.85,2.225 17.775,2.225 9.3,10.7 9.325,10.725 9.325,14.175 4.775,18.725 3.725,18.725 3.3,18.3 3.3,17.125 6.5,13.925 6.5,9.15 6.8,8.85 8.9,8.85 16.625,1.125 44.825,1.125 44.875,1.175
  region net AVCC: 0.844,55.944 0.844,54.696 12.121,54.696 12.125,54.7 12.125,55.925 12.15,55.95 0.85,55.95

## Silkscreen, mask and mechanical layers (free items; w line width, h text height)
Top Overlay:
  text "4.5v" at 7.75,53.3 h0.5
  text "4.5v" at 46.325,51.7 h0.5
  text "+" at 87.975,46.975 h0.5
  text "5v" at 87.825,39.475 h0.5
  text "RXD" at 87.625,34.9 h0.55
  text "CC-Debug" at 35.175,30.6 h0.5
  text "TXD" at 87.55,30.375 h0.55
  text "Charging" at 0.725,29.1 h0.8 r30
  text "CC-2540" at 58.775,27 h1
  text "START" at 74.6,26.325 h0.5
  text "P0.1" at 88.7,24.35 h0.5
  text "P0.5" at 88.725,21.825 h0.5
  text "/RESET" at 74.6,21.075 h0.5
  text "DOUT_1 / MISO" at 54.25,20.725 h0.5
  text "P0.7" at 88.8,19.45 h0.5 r14.6
  text "/CS" at 30.55,18.925 h0.5
  text "SCLK" at 41.7,18.925 h0.5
  text "/PWDN" at 74.425,18.525 h0.5
  text "DIN / MOSI" at 46.9,18.175 h0.5
  text "Power up" at 4.1,17.15 h0.7
  text "P1.1" at 88.875,16.575 h0.5 r11.08
  text "DIN / MOSI" at 41.75,16.2 h0.5
  text "/DRDY" at 74.425,16.2 h0.5
  text "SCLK" at 54.175,15.525 h0.5
  text "+" at 91.675,14.525 h0.5
  text "P1.2" at 88.7,14.1 h0.5 r5.55
  text "P1.3" at 77.475,13.925 h0.5
  text "DOUT_1 / MISO" at 41.75,13.375 h0.5
  text "/CS" at 46.725,13.325 h0.5
  text "K1 and K2  / keep the same statue" at 0.55,12.625 h0.7
  text "GPIO" at 82.2,7.325 h1
  text "+" at 76.325,7.1 h0.5
  text "RST" at 30.875,7.05 h1
  text "+" at 91.825,6.725 h0.5
  text "+" at 60.125,5.45 h0.5
  text "USB" at 72.4,1.575 h1.5
  text "EPIC_EEGEmbedded" at 6.825,1.025 h1.5
Bottom Overlay:
  text "P4" at 40.225,84.1 h0.5
  text "O2" at 42.95,84.1 h0.5
  text "PZ" at 56.9,84.1 h0.5
  text "A2" at 59.6,84.1 h0.5
  text "F4" at 34.7,84.075 h0.5
  text "C4" at 37.45,84.075 h0.5
  text "CZ" at 54.075,84.075 h0.5
  text "F8" at 45.75,84.05 h0.5
  text "T4" at 48.475,84.05 h0.5
  text "T6" at 51.325,84.05 h0.5
  text "REF" at 62.225,84.05 h0.5
  text "FP2" at 29.55,82.95 h0.5
  text "FZ" at 55.5,81.45 h0.5
  text "F3" at 33.325,81.325 h0.5
  text "F7" at 44.45,81.3 h0.5
  text "C3" at 36,81.275 h0.5
  text "P3" at 38.875,81.275 h0.5
  text "T3" at 47.125,81.275 h0.5
  text "BIAS" at 63.45,81.275 h0.5
  text "O1" at 41.7,81.25 h0.5
  text "T5" at 49.8,81.225 h0.5
  text "FP1" at 28.7,80.075 h0.5
  text "4.5v" at 27.4,53.875 h0.5
  text "4.5v" at 65,53.25 h0.5
  text "Charge" at 54.25,1.475 h0.5 r180

## Dimensions
3.2,85 to 4.125,0 on Keep-Out Layer
0,81.8 to 93,81.675 on Keep-Out Layer

## Text inside footprints (layer, text, board x,y; h text height)
J2: Top Overlay "+" at 64.812,4.802 h0.4
J6: Top Overlay "2" at 37.782,27.159 h1.02 r270; Top Overlay "9" at 35.242,12.173 h1.02 r270; Top Overlay "1" at 35.242,26.905 h1.02 r270; Top Overlay "10" at 37.782,12.173 h1.02 r270
J7: Top Overlay "2" at 84.757,27.274 h1.02 r270; Top Overlay "9" at 82.217,12.288 h1.02 r270; Top Overlay "1" at 82.217,27.02 h1.02 r270; Top Overlay "10" at 84.757,12.288 h1.02 r270
J8: Bottom Overlay "+" at 61.213,4.852 h0.4
K1: Top Overlay "I" at 9.425,23.075 h0.55 r180